# Allegro board P2597_B04_Allegro_layout.brd (continued)
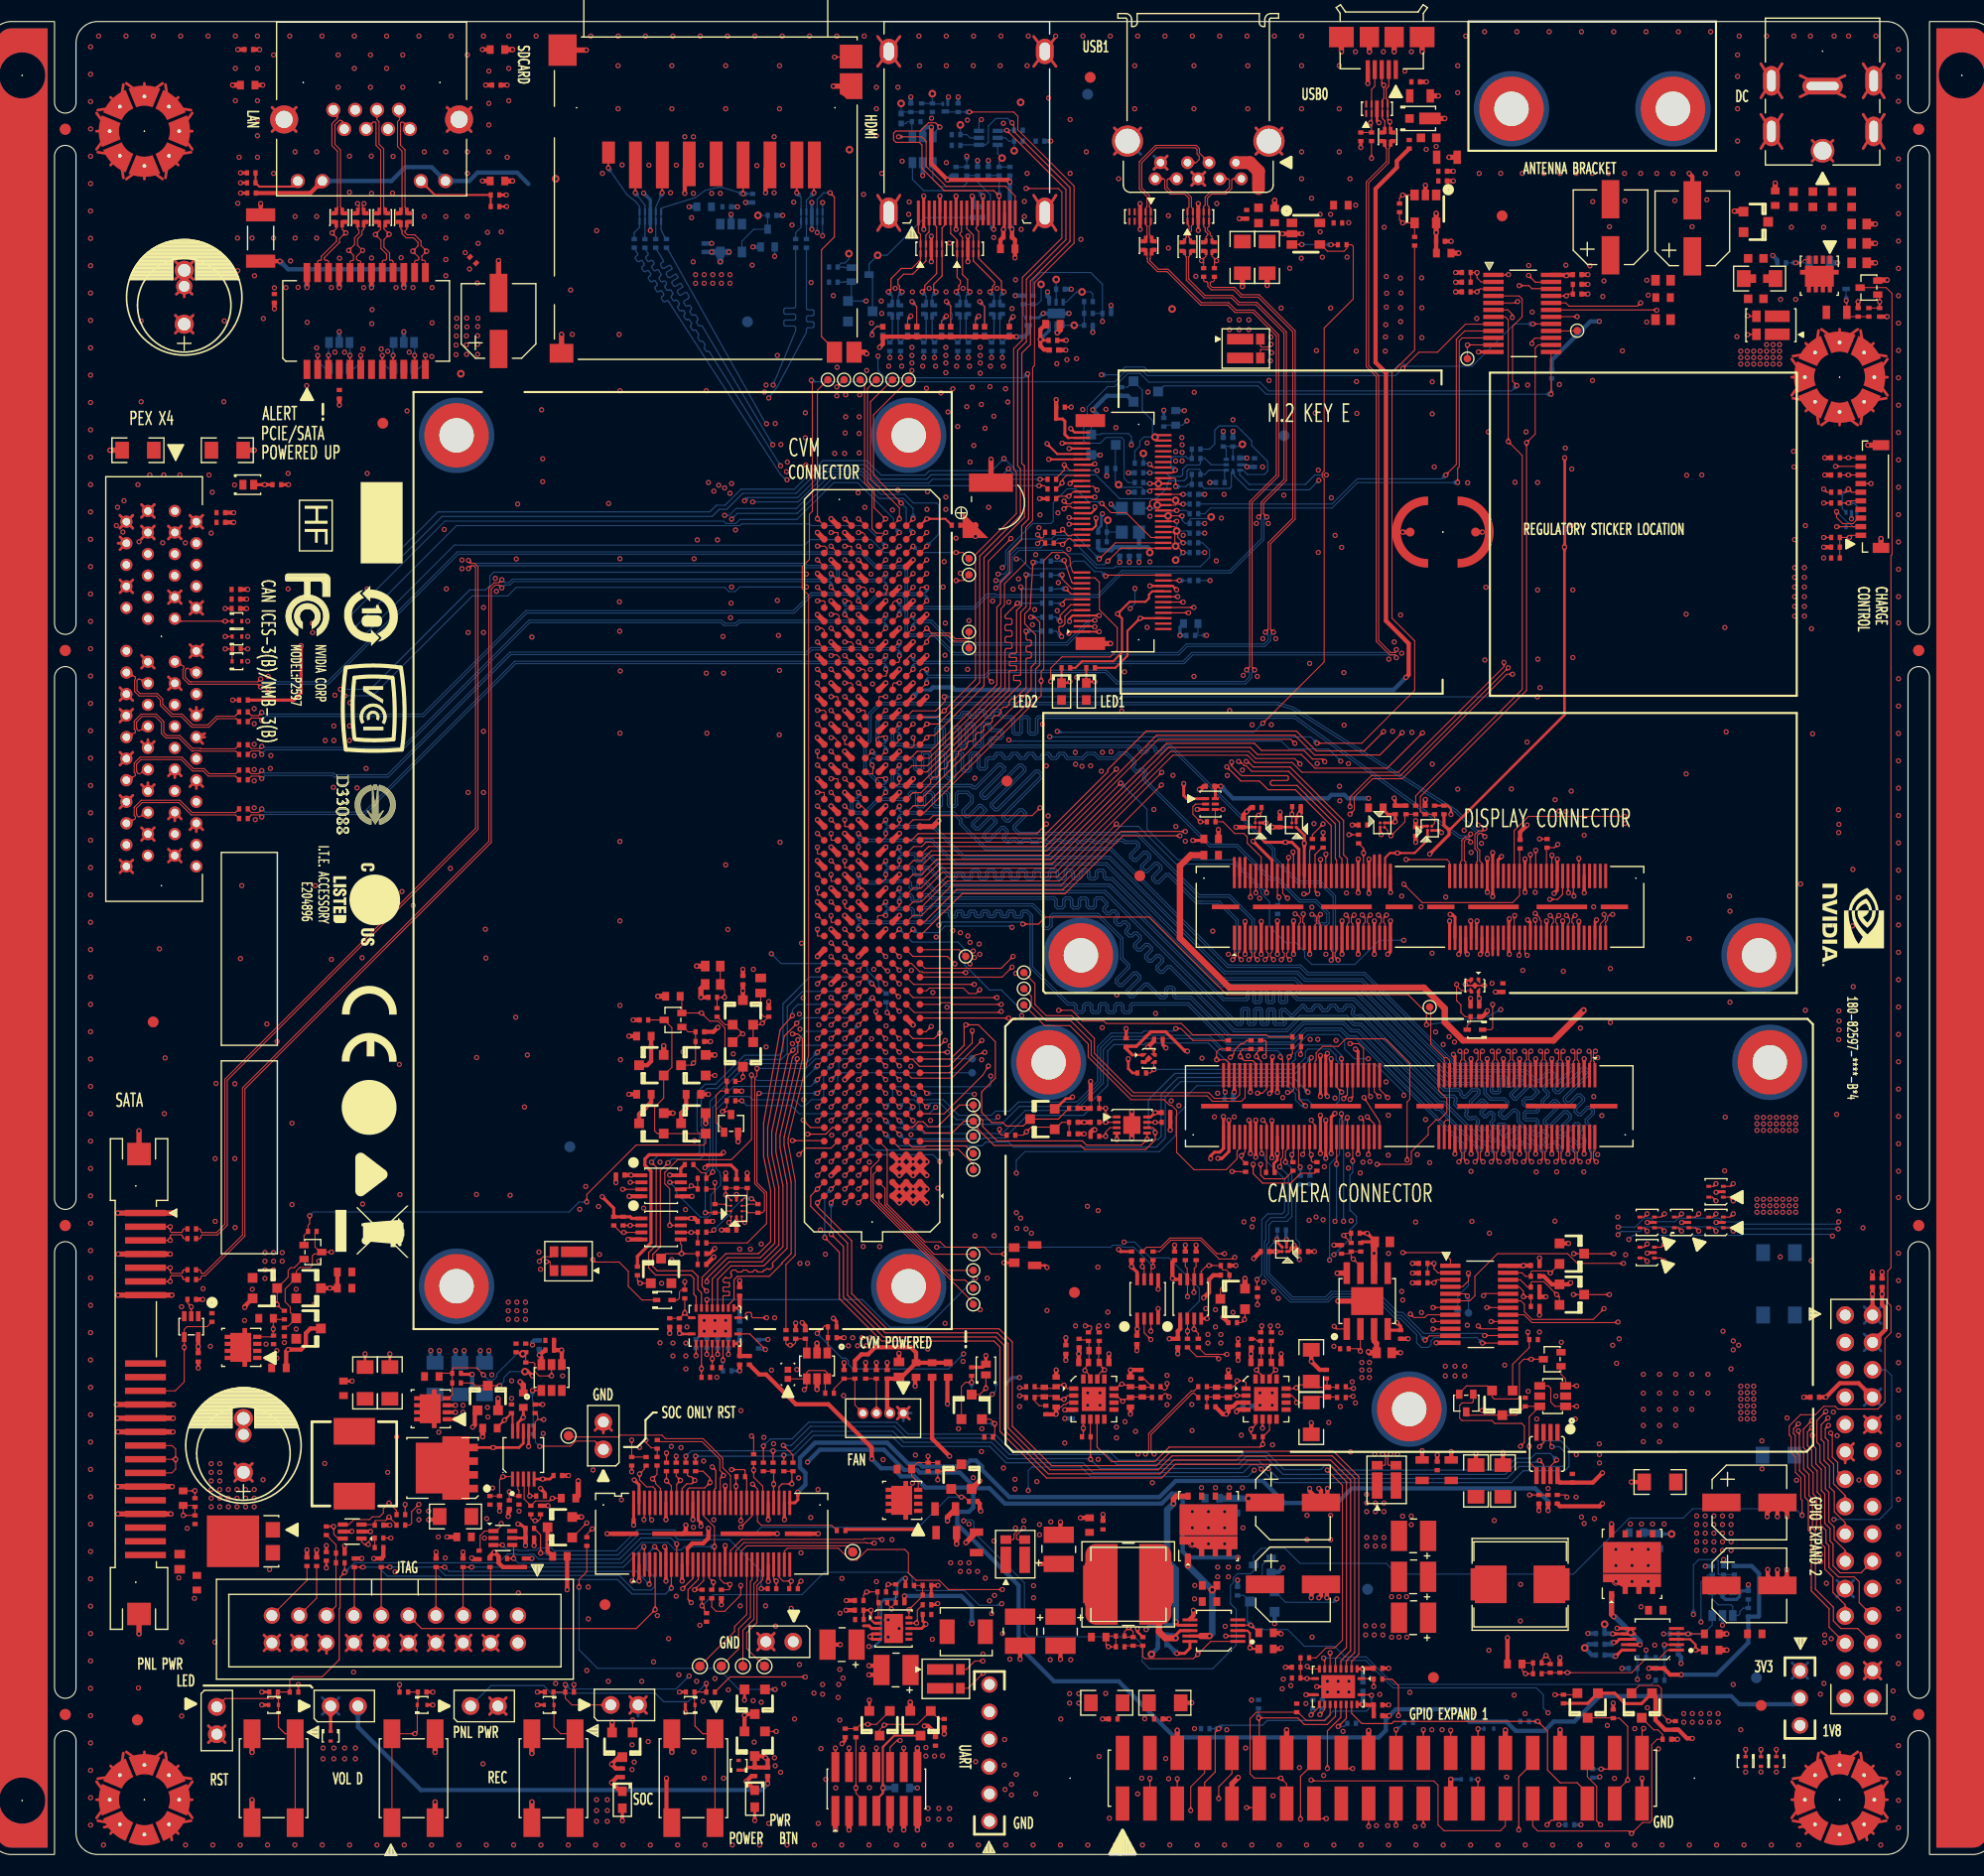
[diagram p0: board, top side]
## Nets (continued)
VDD_5V0_IO_SYS_PG: R508.1 R509.2 R510.1 U31.2(PG)
VDD_5V0_IO_SYS_R: C142.1 C143.1 C144.1 C148.1 C149.1 C154.1 C156.1 C158.1 L15.2 L16.2 R225.4 R243.1
VDD_5V_CT: C203.1 R301.2 U32.4(CT)
VDD_5V_IO_SYS_F_N: C118.2 C123.1 R201.1 U18.14(VIN2N)
VDD_5V_IO_SYS_F_P: C116.2 C118.1 R195.1 R199.1 U18.15(VIN2P)
VDD_5V_IO_SYS_N: R201.2 R225.2
VDD_5V_IO_SYS_P: R199.2 R225.3
VDD_5V_RST_L: R304.1 U32.1(RST*)
VDD_12V_SLP: C1.1 C2.1 C4.1 C9.1 C11.1 C12.1 C13.1 C24.1 D1.3(C) J1.20(12V_1) J1.21(12V_2) J1.22(12V_3) J2.A2(12V_03) J2.A3(12V_04) J2.B1(12V_01) J2.B2(12V_02) J2.B3(RSVD<0>) R2.1 R126.1 R309.1 R347.1 R349.1
VDD_12V_SLP_DISCHARGE: Q35.3(D) R309.2 R347.2
VDD_19V_CON: J25.1 LB15.1 LB16.1 LB17.1 LB18.1
VDD_19V_IN: C174.1 C177.1 C178.1 C179.1 C501.1 D13.3(C) LB15.2 LB16.2 LB17.2 LB18.2 Q30.1(S1) Q30.2(S2) Q30.3(S3)
VDD_DIS_3V3_LCD: C108.1 C135.1 J23.54 J23.56 R221.2 U15.6(VCC) U24.A1(VOUT)
VDD_FAN: C61.1 C64.1 J15.2 R117.1 R126.2 R130.2 R134.2
VDD_GPIO_TXL8: J24.2 R100.2 R223.2
VDD_GPIO_TXL81: C137.1 R223.1 R517.2 U22.19(VCCB)
VDD_GPIO_TXL82: C56.1 R100.1 R592.2 U7.19(VCCB)
VDD_LCD_1V8_DIS: J23.58 U26.A1(VOUT)
VDD_LCD_1V8_EN: R235.1 R236.1 U26.B2(ON) U29.14(P11)
VDD_LCD_1V8_VIN: C146.1 R236.2 R238.2 U26.A2(VIN)
VDD_LM3481_G: C36.1 Q3.4(G) R37.2 R38.1
VDD_LM3481_GATED: C32.1 C33.1 C34.1 C36.2 L2.1 Q3.5(D) R50.1 R51.1
VDD_LM3481_R: Q5.3(D) R38.2
VDD_M2_IN_N: R139.2 R193.3
VDD_M2_IN_P: R140.2 R193.2
VDD_M2_IO_FILT_N: C78.2 C83.1 R139.1 U10.1(VIN3N)
VDD_M2_IO_FILT_P: C78.1 C84.1 R140.1 R141.1 U10.2(VIN3P)
VDD_MOD: C75.1 C77.1 C166.1 C167.1 C168.1 C169.1 C200.1 CR5.2(A) J13.A1(VDD_IN_1) J13.A2(VDD_IN_2) J13.B1(VDD_IN_3) J13.B2(VDD_IN_4) J13.C1(VDD_IN_5) J13.C2(VDD_IN_6) LB12.2 LB13.2 LB14.2 R264.2 R306.1
VDD_MUX: C106.1 C107.1 C125.1 C126.1 C163.1 C164.1 C165.1 C172.1 C173.1 D7.3(AA) Q23.2(D1) Q29.2(D1) R77.1 R98.1 R184.1 R265.1 R506.2 R522.2 U16.5(VIN) U31.5(VIN)
VDD_MUX_CAP: D7.1(C1) Q14.2(E) R90.1
VDD_MUX_CAP_R: C52.1 C53.1 R88.1 R90.2
VDD_MUX_FILTER_M: C130.1 C132.2 R214.1 U18.11(VIN1N)
VDD_MUX_FILTER_P: C129.2 C132.1 R211.1 R213.1 U18.12(VIN1P)
VDD_MUX_N: R214.2 R265.2
VDD_MUX_P: R213.2 R265.3
VDD_OSC: C514.1 R541.1 R542.1 R545.2 Y501.4(VCC)
VDD_SYS_BL: J23.2 J23.4 J23.6 R183.2 R184.2
VDD_SYS_EN: J22.119 R523.1 U28.7(P03)
VDD_TS_1V8: J23.28 U20.A1(VOUT)
VDD_VBUS: J13.B37(USB0_VBUS_DET) R229.2
VDD_VBUS_CONN: C151.1 C153.1 LB11.1 R237.1 U25.1(OUT)
VDD_VBUS_CONN_L: C145.1 C147.1 D11.1 J20.1(VBUS) LB11.2 R229.1
VIN_PWR_BAD_C: C176.2 D31.1(C) R272.1 R273.1
VIN_PWR_BAD_CQ: Q31.1(G) R273.2 R274.1
VIN_PWR_BAD_L: J13.B8(VIN_PWR_BAD*) Q31.3(D) Q502.3(D) R95.1
VIN_PWR_BAD_R_L: Q13.3(D) R95.2
ACOK: J13.A49(CHARGER_PRSNT*) J23.86 J27.1 R270.1 R271.2 R313.1
AO_DMIC_IN_CLK: J13.E16(AO_DMIC_IN_CLK) J22.71 U7.8(A7)
AO_DMIC_IN_CLK_LVL: J21.32(2) R340.1 U7.13(B7)
AO_DMIC_IN_DAT: J13.D16(AO_DMIC_IN_DAT) J22.73 U7.9(A8)
AO_DMIC_IN_DAT_LVL: J21.16(2) R341.1 U7.12(B8)
AP2MDM_READY: D23.5(LINE4) J13.A9(GPIO15_AP2MDM_READY) J26.6
AP_WAKE_BT: J13.B19(GPIO11_AP_WAKE_BT) U7.7(A6)
AP_WAKE_BT_3V3: J21.33(1) R339.1 U7.14(B6)
AP_WAKE_MDM_1V8: J13.A8(GPIO14_AP_WAKE_MDM) R530.2
AP_WAKE_MDM_1V8_R: J18.40(VENDOR_DEFINED_2) R530.1
AUD_RST: J13.F2(GPIO19_AUD_RST) U22.9(A8)
AUD_RST_LVL: J21.29(1) R333.1 U22.12(B8)
AUDIO_CDC_IRQ: J13.H3(GPIO20_AUD_INT) U22.7(A6)
AUDIO_CDC_IRQ_LVL: J21.13(1) R331.1 U22.14(B6)
AUDIO_I2S_MCLK: R222.1 U22.1(A1)
AUDIO_I2S_MCLK_3V3: J21.7(1) R326.1 U22.20(B1)
AUDIO_I2S_MCLK_R: J13.F1(AUDIO_MCLK) R222.2
AUDIO_I2S_SFSYNC: J13.H1(I2S0_LRCLK) U22.3(A2)
AUDIO_I2S_SFSYNC_3V3: J21.35(1) R327.1 U22.18(B2)
AUDIO_I2S_SIN: J13.G1(I2S0_SDIN) U22.5(A4)
AUDIO_I2S_SIN_3V3: J21.38(2) R329.1 U22.16(B4)
AUDIO_I2S_SOUT: J13.H2(I2S0_SDOUT) U22.4(A3)
AUDIO_I2S_SOUT_3V3: J21.40(2) R328.1 U22.17(B3)
AUDIO_I2S_SRCLK: J13.G2(I2S0_CLK) U22.6(A5)
AUDIO_I2S_SRCLK_3V3: J21.12(2) R330.1 U22.15(B5)
BAT_DET_L: J27.8 R267.2
BBAT: J13.A50(VDD_RTC) R135.2
BBAT_R: C72.1 R135.1
BOARD_ID_A0: R155.1 R156.2 U11.1(A<0>)
BOARD_ID_WP: R172.1 U11.7(WP)
BRD_ID_A1: R157.2 U11.2(A<1>)
BRD_ID_A2: R158.2 U11.3(A<2>)
BRIDGE_EN: J23.18 R521.1 U28.18(P15)
BRIDGE_IRQ: J23.20 U28.20(P17)
BT2_EN: J13.B21(GPIO12_BT_EN) Q504.2(S) R546.2
BT2_WAKE_AP_L: J13.B22(GPIO13_BT_WAKE_AP) R532.2
BUCK_BST: C513.1 R536.2
BUCK_BST_IO: C504.1 R515.2
BUCK_FB: C97.2 R162.2 R166.1 U16.1(VFB)
BUCK_FB_IO_MID: R243.2 R250.1 R251.1
BUCK_FB_IO_MID_R: C161.1 R250.2
BUCK_FB_MID: R159.2 R161.1 R162.1
BUCK_FB_MID_R: C97.1 R161.2
BUCK_HSDR: Q23.1(G1) U16.9(DRVH)
BUCK_IO_EN: C170.1 Q501.6(D) R506.1 R507.2 U31.4(EN)
BUCK_IO_FB: C161.2 R251.2 R256.1 U31.1(VFB)
BUCK_IO_HSDR: Q29.1(G1) U31.9(DRVH)
BUCK_IO_LSDR: Q29.6(G2) R514.1 U31.7(DRVL)
BUCK_IO_SNUB: C503.1 R512.2
BUCK_IO_VREG: C171.1 U31.3(VREG5)
BUCK_IO_VSW: C504.2 L15.1 L16.1 Q29.7(S1_D2_1) R512.1 U31.8(SW)
BUCK_LSDR: Q23.6(G2) R535.1 U16.7(DRVL)
BUCK_SNUB: C508.1 R533.2
BUCK_VREG: C120.1 U16.3(VREG5)
BUCK_VSW: C513.2 L7.1 L8.1 L9.1 Q23.7(S1_D2_1) R533.1 U16.8(SW)
CAM0_MCLK: J13.F9(CAM0_MCLK) J22.91
CAM0_PWDN: J13.G8(GPIO0_CAM0_PWR*) J22.93
CAM0_RST_L: J13.H8(GPIO2_CAM0_RST*) R206.1 R207.1
CAM1_MCLK: J13.F8(CAM1_MCLK) R209.2
CAM1_MCLK_R: J22.88 R209.1
CAM1_PWDN: J13.F7(GPIO1_CAM1_PWR*) J22.90
CAM1_RST_L: J13.H7(GPIO3_CAM1_RST*) R518.1 R519.1
CAM2_MCLK: J13.E7(CAM2_MCLK) R202.1
CAM2_MCLK_R: J22.94 R202.2
CAM2_PWDN: J22.96 U28.11(P07)
CAM2_RST: J22.98 U28.13(P10)
CAM_AF_PWDN: J22.85 U28.16(P13)
CAM_AVDD_CAM_EN: R215.1 U23.2(EN) U29.18(P15)
CAM_DVDD_CAM_LV_1V5_EN: TP33.1 U29.16(P13)
CAM_FSIN_INT: J22.117 R189.1
CAM_GYRO_INT: J22.112 R192.2
CAM_I2C_SCL: J13.C6(I2C_CAM_CLK) J22.75
CAM_I2C_SDA: J13.D6(I2C_CAM_DAT) J22.77
CAM_IR_EN: J22.114 TP30.1
CAM_UART1_CTS: J22.65 R175.1
CAM_UART1_PSNT_L: J22.59 Q24.1(G) R190.2
CAM_UART1_RTS: J22.67 R165.1
CAM_UART1_RXD: J22.63 R178.1
CAM_UART1_TXD: J22.61 R168.1
CAM_UART_DIR: Q24.3(D) R187.1 R188.1 U14.5(DIR)
CAM_VDD_1V2_EN: R164.1 U13.3(CE) U28.15(P12)
CAM_VDD_1V8_EN: R520.1 U19.B2(ON) U28.14(P11)
CAM_VSYNC: J13.E8(CAM_VSYNC) J22.86
CAN0_ERR: D26.4(LINE3) J13.E18(CAN0_ERR) J26.9
CAN0_RX: D26.5(LINE4) J13.D18(CAN0_RX) J26.5
CAN0_STBY: D26.1(LINE1) J13.E17(CAN0_STBY) J26.3
CAN0_TX: D25.3(LINE2) J13.D19(CAN0_TX) J26.7
CAN1_ERR: D25.1(LINE1) J13.C19(CAN1_ERR) J26.19
CAN1_RX: D25.5(LINE4) J13.D17(CAN1_RX) J26.15
CAN1_STBY: D22.3(LINE2) J13.C17(CAN1_STBY) J26.13
CAN1_TX: D25.4(LINE3) J13.C18(CAN1_TX) J26.17
CAN_WAKE: D26.3(LINE2) J13.C20(CAN_WAKE) J26.1
CARRIER_PWR_ON: J13.A48(CARRIER_PWR_ON) Q11.1(G) R507.1
CGND: C27.2 C205.2 J5.13 J5.14 R8.2 R12.2 R40.2 R45.2 R46.2 R47.2
CHARGING: D34.5(LINE4) J13.A7(CHARGING*) J27.2
CHG_BD_PRSNT_L: J27.10 R266.2 U28.17(P14)
CHG_OC_L: J13.C8(RSVD_6) J27.7 R145.2
CON_CSI_A_CLK_N: J13.G27(CSI0_CLK*) J22.9
CON_CSI_A_CLK_P: J13.G28(CSI0_CLK) J22.7
CON_CSI_A_D0_N: J13.F28(CSI0_D0*) J22.3
CON_CSI_A_D0_P: J13.F29(CSI0_D0) J22.1
CON_CSI_A_D1_N: J13.H26(CSI0_D1*) J22.15
CON_CSI_A_D1_P: J13.H27(CSI0_D1) J22.13
CON_CSI_B_CLK_N: J13.D27(CSI1_CLK*) J22.10
CON_CSI_B_CLK_P: J13.D28(CSI1_CLK) J22.8
CON_CSI_B_D0_N: J13.C28(CSI1_D0*) J22.4
CON_CSI_B_D0_P: J13.C29(CSI1_D0) J22.2
CON_CSI_B_D1_N: J13.E26(CSI1_D1*) J22.16
CON_CSI_B_D1_P: J13.E27(CSI1_D1) J22.14
CON_CSI_C_CLK_N: J13.G24(CSI2_CLK*) J22.27
CON_CSI_C_CLK_P: J13.G25(CSI2_CLK) J22.25
CON_CSI_C_D0_N: J13.F25(CSI2_D0*) J22.21
CON_CSI_C_D0_P: J13.F26(CSI2_D0) J22.19
CON_CSI_C_D1_N: J13.H23(CSI2_D1*) J22.33
CON_CSI_C_D1_P: J13.H24(CSI2_D1) J22.31
CON_CSI_D_CLK_N: J13.D24(CSI3_CLK*) J22.28
CON_CSI_D_CLK_P: J13.D25(CSI3_CLK) J22.26
CON_CSI_D_D0_N: J13.C25(CSI3_D0*) J22.22
CON_CSI_D_D0_P: J13.C26(CSI3_D0) J22.20
CON_CSI_D_D1_N: J13.E23(CSI3_D1*) J22.34
CON_CSI_D_D1_P: J13.E24(CSI3_D1) J22.32
CON_CSI_E_CLK_N: J13.G21(CSI4_CLK*) J22.45
CON_CSI_E_CLK_P: J13.G22(CSI4_CLK) J22.43
CON_CSI_E_D0_N: J13.F22(CSI4_D0*) J22.39
CON_CSI_E_D0_P: J13.F23(CSI4_D0) J22.37
CON_CSI_E_D1_N: J13.H20(CSI4_D1*) J22.51
CON_CSI_E_D1_P: J13.H21(CSI4_D1) J22.49
CON_CSI_F_CLK_N: J13.D21(CSI5_CLK*) J22.46
CON_CSI_F_CLK_P: J13.D22(CSI5_CLK) J22.44
CON_CSI_F_D0_N: J13.C22(CSI5_D0*) J22.40
CON_CSI_F_D0_P: J13.C23(CSI5_D0) J22.38
CON_CSI_F_D1_N: J13.E20(CSI5_D1*) J22.52
CON_CSI_F_D1_P: J13.E21(CSI5_D1) J22.50
CON_DSI3_CLK_N: J13.D34(DSI1_CLK*) J23.68
CON_DSI3_CLK_P: J13.D33(DSI1_CLK) J23.66
CON_DSI4_CLK_N: J13.D31(DSI3_CLK*) J23.74
CON_DSI4_CLK_P: J13.D30(DSI3_CLK) J23.72
CON_DSI_A_CLK_N: J13.G34(DSI0_CLK*) J23.43
CON_DSI_A_CLK_P: J13.G33(DSI0_CLK) J23.45
CON_DSI_A_D0_N: J13.F35(DSI0_D0*) J23.55
CON_DSI_A_D0_P: J13.F34(DSI0_D0) J23.57
CON_DSI_A_D1_N: J13.H33(DSI0_D1*) J23.49
CON_DSI_A_D1_P: J13.H32(DSI0_D1) J23.51
CON_DSI_A_D2_N: J13.C35(DSI1_D0*) J23.37
CON_DSI_A_D2_P: J13.C34(DSI1_D0) J23.39
CON_DSI_A_D3_N: J13.E33(DSI1_D1*) J23.31
CON_DSI_A_D3_P: J13.E32(DSI1_D1) J23.33
CON_DSI_B_CLK_N: J13.G31(DSI2_CLK*) J23.13
CON_DSI_B_CLK_P: J13.G30(DSI2_CLK) J23.15
CON_DSI_B_D0_N: J13.F32(DSI2_D0*) J23.25
CON_DSI_B_D0_P: J13.F31(DSI2_D0) J23.27
CON_DSI_B_D1_N: J13.H30(DSI2_D1*) J23.19
CON_DSI_B_D1_P: J13.H29(DSI2_D1) J23.21
CON_DSI_B_D2_N: J13.C32(DSI3_D0*) J23.7
CON_DSI_B_D2_P: J13.C31(DSI3_D0) J23.9
CON_DSI_B_D3_N: J13.E30(DSI3_D1*) J23.1
CON_DSI_B_D3_P: J13.E29(DSI3_D1) J23.3
CON_I2C_GP1_SCL_LT: J23.30 R208.2
CON_I2C_GP1_SDA_LT: J23.32 R210.2
CONN_CAM0_RST_L: J22.95 R207.2
CONN_CAM1_RST_L: J22.92 R519.2
CPU_PWR_REQ: J10.33 R91.2
D_FORCE_AC_NOT_OK_N: J10.1 R270.2
D_FORCE_OFF_G: C502.1 Q501.1(G) Q501.4(D) Q502.1(G) Q503.1(G) R502.1 R503.2
D_FORCE_OFF_L: J11.1 Q501.3(G) R111.1 R504.2 R505.1
D_FORCE_OFF_R_L: J10.55 R111.2
DBG_GEN1_I2C_SCL: J10.16 R69.1
DBG_GEN1_I2C_SDA: J10.18 R71.1
DBG_GPIO: Q22.1(G) R137.2 R149.2 R150.2
DBG_GPIO1: J10.32 R61.1
DBG_GPIO2: J10.34 R68.1
DBG_GPIO3: J10.57 R137.1
DBG_I2C_EN: Q36.3(D) Q37.3(D) Q38.6(D) R312.1 U30.5(EN)
DBG_I2C_EN_L: Q38.1(G) Q38.4(D) R255.2
DBG_IRQ_N: J10.38 TP2.1
DBG_JTAG_TRST: J10.53 R106.2
DBG_KB_COL0: J10.43 TP3.1
DBG_KB_COL1: J10.45 TP4.1
DBG_KB_COL2: J10.47 TP5.1
DBG_KB_COL3: J10.49 TP6.1
DBG_KB_ROW0: J10.37 R206.2
DBG_KB_ROW1: J10.39 R518.2
DBG_KB_ROW2: J10.41 TP9.1
DBG_PM342_I2C_SCL_3V3: R103.2 U30.7(SCL1)
DBG_PM342_I2C_SDA_3V3: R110.2 U30.6(SDA1)
DBG_PM_I2C_SCL_3V3: J10.54 R103.1 R107.1
DBG_PM_I2C_SDA_3V3: J10.56 R108.1 R110.1
DBG_UART0_CTS: J10.10 R66.1
DBG_UART0_RTS: J10.12 R67.1
DBG_UART_SEL: R92.2 R96.2 R99.1 U8.D1(IN2) U8.D3(IN1)
DDC_SCL_Q: Q506.5(G) R560.2
DDC_SDA_Q: Q506.2(G) R572.2
DIRECTDC_CLK: J13.F12(DIRECTDC_CLK) J14.2
DIRECTDC_IN: J13.F11(DIRECTDC_IN) J14.4
DIRECTDC_OUT0: J13.E11(DIRECTDC_OUT0) J14.6
DIRECTDC_OUT1: J13.E12(DIRECTDC_OUT1) J14.8
DIRECTDC_OUT2: J13.D11(DIRECTDC_OUT2) J14.10
DIRECTDC_OUT3: J13.D12(DIRECTDC_OUT3) J14.12
DIRECTDC_PIN5: Q18.1(B) R116.1 R118.1
DIRECTDC_PIN5_R: J14.5 R118.2
DIRECTDC_PIN7: C529.1 J14.7 Q20.3(D)
DIRECTDC_PU: Q18.3(C) Q20.1(G) R132.2
DIS_PNP_B: C201.1 D7.2(C2) Q14.1(B) R105.1
DIS_PNP_C: Q14.3(C) R93.1
DIS_VDD_1V2_EN: D12.1(C) R33.1 U29.15(P12)
DIS_VDD_1V2_EN_PU: D12.2(A) R32.2 R242.2 U27.3(CE)
DIS_VDD_1V2_EN_PU_R: R32.1 U2.4(Y)
DIS_VDD_1V2_EN_PU_R_IN: R27.1 R33.2 U2.3(A)
DISCHARGE: D5.3(CC) D18.1(A1) Q6.1(G) Q8.1(G) Q9.1(G) Q12.1(G) R63.1 R348.2
DISCHARGE_CAR: D5.1(A1) Q11.3(D) R77.2 R78.1
DISCHARGE_CAT: C49.1 D5.2(A2) Q13.1(G) R93.2 R94.1
DP1_TXD0_N: C530.1 J13.E38(DP1_TX0*)
DP1_TXD0_P: C531.1 J13.E39(DP1_TX0)
DP1_TXD1_N: C525.1 J13.C37(DP1_TX1*)
DP1_TXD1_P: C526.1 J13.C38(DP1_TX1)
DP1_TXD2_N: C523.1 J13.D36(DP1_TX2*)
DP1_TXD2_P: C524.1 J13.D37(DP1_TX2)
DP1_TXD3_N: C518.1 J13.E35(DP1_TX3*)
DP1_TXD3_P: C519.1 J13.E36(DP1_TX3)
DP_HPD0_AP: J13.B36(DP0_HPD) J23.85
DSPK_OUT_CLK: D29.1(1C) J13.G4(DSPK_OUT_CLK) J26.27
DSPK_OUT_DAT: D28.1(1C) J13.H4(DSPK_OUT_DAT) J26.29
EDP_AUX_CH0_N: J13.B34(DP0_AUX_CH*) J23.87
EDP_AUX_CH0_P: J13.B35(DP0_AUX_CH) J23.89
EDP_TXD0_N: J13.H38(DP0_TX0*) J23.95
EDP_TXD0_P: J13.H39(DP0_TX0) J23.93
EDP_TXD1_N: J13.F37(DP0_TX1*) J23.101
EDP_TXD1_P: J13.F38(DP0_TX1) J23.99
EDP_TXD2_N: J13.G36(DP0_TX2*) J23.107
EDP_TXD2_P: J13.G37(DP0_TX2) J23.105
EDP_TXD3_N: J13.H35(DP0_TX3*) J23.119
EDP_TXD3_P: J13.H36(DP0_TX3) J23.117
EN_GP0_LVL: C507.1 R534.2 U501.7(VREF2) U501.8(EN)
EN_HDMI: R547.1 R548.2 R549.2 U502.4(EN)
EN_HDMI_TERM: Q505.1(G) R557.2 R558.2
EN_VDD_DISP: R231.1 U29.7(P03)
EN_VDD_DISP_R: R228.1 R231.2 U24.B2(ON)
EN_VDD_SATA_G: C28.1 Q1.4(G) R11.2 R13.1
EN_VDD_SATA_R_D_L: D18.3(CC) Q34.1(G) Q35.1(G) R346.1 R348.1
EN_VDD_SATA_R_L: D18.2(A2) Q2.3(D) R13.2
EN_VDD_TS_1V8_PMIC: R205.1 U20.B2(ON) U29.5(P01)
EN_VDD_TS_HV_PMIC: R196.1 U17.B2(ON) U29.6(P02)
FAN_PWM: J13.C16(FAN_PWM) Q17.1(G) R114.1 R115.2
FAN_PWM_Q*: C58.1 J15.4 R117.2 R300.2
FAN_PWM_Q_R: D17.1 Q17.4(D) Q17.6(D) R300.1
FAN_TACH: C60.1 D30.1(1C) J13.B17(FAN_TACH) J15.3 R121.2
FLASH_EN: J13.D7(GPIO5_CAM_FLASH_EN) J22.97
FLASH_INHIBIT: J22.103 U28.10(P06)
FLASH_STROBE: J13.G7(GPIO4_CAM_STROBE) J22.106 R311.1
FLASH_STROBE_G: Q37.1(G) R311.2 R321.1
FORCE_RECOVERY_L: J13.E1(FORCE_RECOV*) R59.2
FORCE_RECOVERY_R_L: C46.1 D4.1(1C) J9.1 J10.42 R59.1 S3.1 S3.4
GBE_CTREF: J13.H50(GBE_CTREF) TP7.1
GBE_LED0_SPICSB: J13.E47(GBE_LINK_ACT*) R10.1
GBE_LED1_SPISCK: J13.F50(GBE_LINK100*) R44.1
GBE_LED2: J13.F46(GBE_LINK1000*) TP8.1
GBE_MDI0_N: D507.1 J13.E49(GBE_MDI0*) T1.3(TD1N)
GBE_MDI0_P: D507.6 J13.E48(GBE_MDI0) T1.2(TD1P)
GBE_MDI1_N: D507.4 J13.F48(GBE_MDI1*) T1.6(TD2N)
GBE_MDI1_P: D507.3 J13.F47(GBE_MDI1) T1.5(TD2P)
GBE_MDI2_N: D506.1 J13.G49(GBE_MDI2*) T1.9(TD3N)
GBE_MDI2_P: D506.6 J13.G48(GBE_MDI2) T1.8(TD3P)
GBE_MDI3_N: D506.4 J13.H48(GBE_MDI3*) T1.12(TD4N)
GBE_MDI3_P: D506.3 J13.H47(GBE_MDI3) T1.11(TD4P)
GEN1_I2C_SCL_CAM_R: J22.105 R198.1
GEN1_I2C_SDA_CAM_R: J22.107 R194.1
GNSS_PPS: D27.1(1C) J13.B18(GNSS_PPS) J26.30
GPIO_EXP0_INT: J13.A23(GPIO_EXP0_INT) U29.1(INT*)
GPIO_EXP1_INT: J13.A22(GPIO_EXP1_INT) U28.1(INT*)
GPIO_EXP2_A0: R248.2 R249.1 U28.21(A0)
GPIO_EXP2_A1: R232.1 R233.2 U28.2(A1)
GPIO_EXP_A0: R259.2 R260.1 U29.21(A0)
GPIO_EXP_A1: R239.1 R240.2 U29.2(A1)
GPIO_EXP_P07_3V3: TP32.1 U29.11(P07)
GPIO_EXP_P16_3V3: J21.22(2) R345.1 U29.19(P16)
GPIO_EXP_P17_3V3: J21.15(1) R344.1 U29.20(P17)
GS_H: J13.A26(GSYNC_HSYNC) J23.94
GS_V: J13.A27(GSYNC_VSYNC) J23.92
HDMI_CEC: CR501.1(A1) J13.B33(HDMI_CEC) Q508.2(S) R588.2
HDMI_CEC_CON: C522.1 D503.3 J16.13(CEC) L502.2
HDMI_CEC_PU: CR501.2(A2) R587.1
HDMI_CEC_Q: CR501.3(CC) L502.1 Q508.3(D)
HDMI_DDC_SCL_5V: Q506.3(D) R569.1 R574.2
HDMI_DDC_SCL_5V0: C521.1 D503.1 J16.15(SCL) R569.2
HDMI_DDC_SCL_POL: J13.A35(DP1_AUX_CH) Q506.4(S) R559.2
HDMI_DDC_SDA_5V: Q506.6(D) R561.2 R564.1
HDMI_DDC_SDA_5V0: C520.1 D503.6 J16.16(SDA) R564.2
HDMI_DDC_SDA_POL: J13.A34(DP1_AUX_CH*) Q506.1(S) R573.2
HDMI_HPD: J13.A33(DP1_HPD) Q507.3(C) R570.2
HDMI_HPD_CON: C527.1 D503.4 J16.19(HP_DET) L505.2
HDMI_HPD_L: C528.1 L505.1 R580.1
HDMI_HPD_R_L: Q507.1(B) R578.1 R580.2
HDMI_ILIM: R550.1 U502.2(ILIM)
HDMI_SW_OC*: R547.2 U502.3(FAULT*)
HDMI_TXC_C_N: C518.2 L501.1 R562.2 R563.1
HDMI_TXC_C_P: C519.2 L501.2 R565.1 R566.2
HDMI_TXC_CON_N: D501.5(4A) D501.6(4B) J16.12(CK*) L501.4 R563.2
HDMI_TXC_CON_P: D501.4(3A) D501.7(3B) J16.10(CK) L501.3 R565.2
HDMI_TXD0_C_N: C523.2 L503.1 R567.2 R568.1
HDMI_TXD0_C_P: C524.2 L503.2 R571.1 R575.2
HDMI_TXD0_CON_N: D501.2(2A) D501.9(2B) J16.9(D0*) L503.4 R568.2
HDMI_TXD0_CON_P: D501.1(1A) D501.10(1B) J16.7(D0) L503.3 R571.2
HDMI_TXD1_C_N: C525.2 L504.1 R576.2 R577.1
HDMI_TXD1_C_P: C526.2 L504.2 R579.1 R581.2
HDMI_TXD1_CON_N: D502.5(4A) D502.6(4B) J16.6(D1*) L504.4 R577.2
HDMI_TXD1_CON_P: D502.4(3A) D502.7(3B) J16.4(D1) L504.3 R579.2
HDMI_TXD2_C_N: C530.2 L506.1 R582.2 R583.1
HDMI_TXD2_C_P: C531.2 L506.2 R584.1 R586.2
HDMI_TXD2_CON_N: D502.2(2A) D502.9(2B) J16.3(D2*) L506.4 R583.2
HDMI_TXD2_CON_P: D502.1(1A) D502.10(1B) J16.1(D2) L506.3 R584.2
I2C_GP0_CLK_1V8: J13.E15(I2C_GP0_CLK) J23.22 R69.2 R198.2 R318.2 U501.3(SCL1)
I2C_GP0_DAT_1V8: J13.D15(I2C_GP0_DAT) J23.24 R71.2 R194.2 R319.2 U501.4(SDA1)
I2C_GP0_SCL_3V3_LVL: J2.B5(SMCLK) J21.5(1) R316.2 R538.2 U501.6(SCL2)
I2C_GP0_SCL_M2: J18.60(I2C_CLK) R316.1 R318.1
I2C_GP0_SDA_3V3_LVL: J2.B6(SMDAT) J21.3(1) R317.2 R524.2 U501.5(SDA2)
I2C_GP0_SDA_M2: J18.58(I2C_DATA) R317.1 R319.1
I2C_GP1_CLK_3V3: D33.1(1C) J13.A21(I2C_GP1_CLK) J21.28(2) Q26.3(D) R73.2 R107.2 R152.1 R208.1 U10.6(SCL) U18.6(SCL) U29.22(SCL) U30.2(SCL0)
I2C_GP1_DAT_3V3: D32.1(1C) J13.A20(I2C_GP1_DAT) J21.27(1) Q25.3(D) R76.2 R108.2 R197.1 R210.1 U10.7(SDA) U18.7(SDA) U29.23(SDA) U30.3(SDA0)
I2C_GP1_SCL: J10.20 R73.1
I2C_GP1_SCL_1V8_LVL: Q26.2(S) R247.2 U28.22(SCL)
I2C_GP1_SDA: J10.22 R76.1
I2C_GP1_SDA_1V8_LVL: Q25.2(S) R246.2 U28.23(SDA)
I2C_GP2_CLK: D23.3(LINE2) J13.C11(I2C_GP2_CLK) J26.12
I2C_GP2_DAT: D24.5(LINE4) J13.C10(I2C_GP2_DAT) J26.14
I2C_GP3_CLK: D24.4(LINE3) J13.C12(I2C_GP3_CLK) J26.18
I2C_GP3_DAT: D24.1(LINE1) J13.C13(I2C_GP3_DAT) J26.20
I2C_PM_CLK: D34.3(LINE2) J13.A6(I2C_PM_CLK) J22.87 J27.5 R269.1 TP20.1 U11.6(SCL)
I2C_PM_DAT: D34.1(LINE1) J13.B6(I2C_PM_DAT) J22.89 J27.6 R268.1 TP19.1 U11.5(SDA)
I2S1_CLK: D22.1(LINE1) J13.C15(I2S1_CLK) J26.23
I2S1_LRCLK: D24.3(LINE2) J13.D13(I2S1_LRCLK) J26.26
I2S1_SDIN: D22.5(LINE4) J13.C14(I2S1_SDIN) J26.25 R585.2
I2S1_SDOUT: D22.4(LINE3) J13.D14(I2S1_SDOUT) J26.24
I2S2_CLK: J13.G5(I2S2_CLK) J18.8(PCM_CLK_12S_SCK)
I2S2_LRCLK: J13.H5(I2S2_LRCLK) J18.10(PCM_SYNC_125_WS)
I2S2_SDIN: J13.G6(I2S2_SDIN) J18.12(PCM_IN_12S_SD_IN)
I2S2_SDOUT: J13.H6(I2S2_SDOUT) J18.14(PCM_OUT_12S_SD_OUT)
I2S3_CLK: J13.E6(I2S3_CLK) J22.72
I2S3_LRCLK: J13.F5(I2S3_LRCLK) J22.74
I2S3_SDIN: J13.E5(I2S3_SDIN) J22.76
I2S3_SDOUT: J13.F6(I2S3_SDOUT) J22.78
IFP_TERM_EN: LB1.1 LB2.1 LB3.1 LB4.1 LB5.1 LB6.1 LB7.1 LB8.1 Q505.3(D)
IFP_TERM_EN_TXCN: LB8.2 R562.1
IFP_TERM_EN_TXCP: LB7.2 R566.1
IFP_TERM_EN_TXD0N: LB6.2 R567.1
IFP_TERM_EN_TXD0P: LB5.2 R575.1
IFP_TERM_EN_TXD1N: LB4.2 R576.1
IFP_TERM_EN_TXD1P: LB3.2 R581.1
IFP_TERM_EN_TXD2N: LB2.2 R582.1
IFP_TERM_EN_TXD2P: LB1.2 R586.1
INA_1_A0: R197.2 U18.5(A0)
INA_3_A0: R152.2 U10.5(A0)
IR_READY: J22.111 TP29.1
IR_TRIGGER: J22.113 TP28.1
JTAG_17: J7.17(PD1) R16.1
JTAG_19: J7.19(PD2) R15.1
JTAG_AP_RTCK: J7.11(RTCK) J10.11 J13.A14(JTAG_RTCK) R29.1
JTAG_AP_TCK: J7.9(TCK) J10.9 J13.B11(JTAG_TCK)
JTAG_AP_TDI: J7.5(TDI) J10.5 J13.B12(JTAG_TDI) R39.2
JTAG_AP_TDO: J7.13(TDO) J10.15 J13.A13(JTAG_TDO) R22.1
JTAG_AP_TMS: J7.7(TMS) J10.7 J13.A12(JTAG_TMS) R36.2
JTAG_AP_TRST_L: J13.B13(JTAG_GP0) R52.1 R106.1
JTAG_CN_TRST_R_L: J7.3(TRST*) R43.2
JTAG_SRST_OD_L: J7.15(RST) R17.1 R19.2 R20.2
LCD1_BKLT_PWM: J13.A24(LCD1_BKLT_PWM) J23.100
LCD_BIAS_EN: J23.88 R244.1 U28.8(P04)
LCD_BL_EN: J13.B28(LCD_BKLT_EN) J23.8
LCD_BL_PWM: J13.B27(LCD0_BKLT_PWM) J23.10
LCD_EN: J13.B26(LCD_VDD_EN) J23.62 R182.1 U15.2(A)
LCD_RST_L: J23.12 R182.2 U15.4(Y)
LCD_TE: J13.A25(LCD_TE) J23.14
LED1_L: J18.6(LED1*) R154.1
LED1_R_L: CR4.1(C) R154.2
LED2_L: J18.16(LED2*) R146.1
LED2_R_L: CR3.1(C) R146.2
LED_D_D: CR5.1(C) Q33.3(D)
LED_G_PU: Q32.3(C) Q33.1(G) R306.2
LED_S_I: Q32.1(B) Q33.2(S) R307.1
LED_VDD_CORE: J10.28 J10.31 Q7.1(G) R48.2 U3.4(Y)
LM3481_AGND: R56.1 U4.5(AGND)
LM3481_COMP: C47.1 R53.1 U4.3(COMP)
LM3481_COMP_R: C45.1 R53.2
LM3481_FB: C3.2 R1.2 R55.1 U4.4(FB)
LM3481_FB_R: C3.1 R1.1 R2.2
LM3481_ISEN: C41.1 R42.2 U4.1(ISEN)
LM3481_LG: Q4.4(G) U4.8(LG)
LM3481_S: C37.1 Q4.1(S1) Q4.2(S2) Q4.3(S3) R42.1 RS1.1
LM3481_SD: R54.1 U4.6(SD*)
LM3481_SW: D1.1(A1) D1.2(A2) L2.2 Q4.5(D)
LM3481_UVLO: R49.1 R51.2 U4.2(UVLO)
LM3481_VCC: C42.1 U4.9(VCC)
LM3481_VIN: C38.1 R50.2 U4.10(VIN)
LOW_BAT: D34.4(LINE3) J13.C7(BATLOW*) J27.3
M2_B_73: J18.73(RESERVED_REFCLKN1) R145.1
M2_E_20: J18.20(UART_WAKE*) R532.1
M2_E_59: J18.59(RESERVED_PETP1) R143.1
M2_E_61: J18.61(RESERVED_PETN1) R142.1
M2_E_ALERT_L: J18.62(ALERT*) R537.2
M2_E_ALERT_R_L: Q39.3(D) R516.2 U29.13(P10)
M2_E_ALERT_RS_L: Q39.2(S) R320.2 R537.1
MCT0: R600.1 T1.24(MCT1)
MCT1: R599.1 T1.21(MCT2)
MCT2: R598.1 T1.18(MCT3)
MCT3: R597.1 T1.15(MCT4)
MDI_CT: C31.1 T1.1(TCT1) T1.4(TCT2) T1.7(TCT3) T1.10(TCT4)
MDM2AP_READY_1V8: J13.B9(GPIO17_MDM2AP_READY) R189.2 R531.2
MDM2AP_READY_1V8_R: J18.38(VENDOR_DEFINED_3) R531.1
MDM_COLDBOOT_1V8: J13.B10(GPIO18_MDM_COLDBOOT) R528.2
MDM_COLDBOOT_1V8_R: J18.44(COEX3) R528.1
MDM_EN: R526.2 U29.9(P05)
MDM_EN_R: J18.48(COEX1) R526.1
MDM_RST_L: R527.2 U29.10(P06)
MDM_RST_R_L: J18.46(COEX2) R527.1
MDM_WAKE_AP_1V8: J13.A10(GPIO16_MDM_WAKE_AP) R529.2 U22.8(A7)
MDM_WAKE_AP_1V8_R: J18.42(VENDOR_DEFINED_1) R529.1
MDM_WAKE_AP_LVL: J21.18(2) R332.1 U22.13(B7)
MOTION_INT_AP_L: J13.G14(GPIO9_MOTION_INT) Q28.2(S) R192.1 R263.2
MOTION_INT_AP_L_LVL: J21.31(1) Q28.3(D) R262.2
NVJTAG_SEL: J13.A11(JTAG_GP1) Q22.3(D) R148.2
NVSR_INT: R253.2 U28.19(P16)
NVSR_INT_R: J23.98 R253.1
OSC_EN: C515.1 R545.1 Y501.1(EN)
P_P2_3V3: C181.1 F3.2 J26.2
P_P6_1V8: C180.1 F4.2 J26.4
P_P8_5V: C175.1 F5.2 J26.8
PCIE0_12V_LED: CR6.2(A) R349.2
PCIE0_L0_CLKREQ: J13.C48(PEX0_CLKREQ*) R6.1
PCIE0_L0_CLKREQ_R: D21.1(1C) J2.B12(RSVD<1>) R6.2
PCIE0_L0_RST: D19.1(1C) J2.A11(PERST*) J13.C49(PEX0_RST*)
PCIE0_PRSNT_L: J2.B17(PRSNT2X1*) J2.B31(PRSNT2X4*) R7.2
PCIE_JTAG_TRST_PD: J2.B9(TRST*) R3.1
PCIE_L1_CLKREQ: J13.C47(PEX1_CLKREQ*) J18.53(CLKREQO*) R144.2
PCIE_L1_RST: J13.E50(PEX1_RST*) J18.52(PERST0*) R525.2
PCIE_WAKE_L: D20.1(1C) J2.B11(WAKE*) J13.D48(PEX_WAKE*) J18.55(PEWAKEO*)
PEX2_CKREQ_L: J13.C46(PEX2_CLKREQ*) TP16.1
PEX2_REFCLK_N: J13.A42(PEX2_REFCLK*) TP17.1
PEX2_REFCLK_P: J13.A41(PEX2_REFCLK) TP18.1
PEX2_RST_L: J13.D49(PEX2_RST*) TP10.1
PEX_CLK0_N: J2.A14(REFCLKN*) J13.A45(PEX0_REFCLK*)
PEX_CLK0_P: J2.A13(REFCLKP) J13.A44(PEX0_REFCLK)
PEX_CLK1_N: J13.B46(PEX1_REFCLK*) J18.49(REFCLKNO)
PEX_CLK1_P: J13.B45(PEX1_REFCLK) J18.47(REFCLKPO)
PEX_RX0_AP_N: J13.H42(PEX1_RX*) J18.43(PERNO)
PEX_RX0_AP_P: J13.H41(PEX1_RX) J18.41(PERPO)
PEX_RX1_N: J2.A30(PERN3*) J13.G40(PEX_RFU_RX*)
PEX_RX1_P: J2.A29(PERP3) J13.G39(PEX_RFU_RX)
PEX_RX2_N: J2.A26(PERN2*) J13.F41(PEX2_RX*)
PEX_RX2_P: J2.A25(PERP2) J13.F40(PEX2_RX)
PEX_RX3_N: J2.A22(PERN1*) J13.G43(USB_SS1_RX*)
PEX_RX3_P: J2.A21(PERP1) J13.G42(USB_SS1_RX)
PEX_RX4_N: J2.A17(PERN0*) J13.H45(PEX0_RX*)
PEX_RX4_P: J2.A16(PERP0) J13.H44(PEX0_RX)
PEX_TX0_AP_N: C79.2 J13.E42(PEX1_TX*)
PEX_TX0_AP_P: C80.2 J13.E41(PEX1_TX)
PEX_TX0_C_N: C79.1 J18.37(PETNO)
PEX_TX0_C_P: C80.1 J18.35(PETPO)
PEX_TX1_C_N: C22.2 J2.B28(PETN3*)
PEX_TX1_C_P: C23.2 J2.B27(PETP3)
PEX_TX1_N: C22.1 J13.D40(PEX_RFU_TX*)
PEX_TX1_P: C23.1 J13.D39(PEX_RFU_TX)
PEX_TX2_C_N: C20.2 J2.B24(PETN2*)
PEX_TX2_C_P: C21.2 J2.B23(PETP2)
PEX_TX2_N: C20.1 J13.C41(PEX2_TX*)
PEX_TX2_P: C21.1 J13.C40(PEX2_TX)
PEX_TX3_C_N: C18.2 J2.B20(PETN1*)
PEX_TX3_C_P: C19.2 J2.B19(PETP1)
PEX_TX3_N: C18.1 J13.D43(USB_SS1_TX*)
PEX_TX3_P: C19.1 J13.D42(USB_SS1_TX)
PEX_TX4_C_N: C16.2 J2.B15(PETN0*)
PEX_TX4_C_P: C17.2 J2.B14(PETP0)
PEX_TX4_N: C16.1 J13.E45(PEX0_TX*)
PEX_TX4_P: C17.1 J13.E44(PEX0_TX)
PM_BUS_SEL: J10.50 R310.1
PM_BUS_SEL_G: Q36.1(G) R310.2
PM_VCC: J10.48 R305.1
PMGND: C111.2 C112.1 C116.1 C123.2 C129.1 C130.2 R185.2 R191.1 R195.2 R211.2 U18.3(GND)
PMGND3: C83.2 C84.2 C87.2 C91.1 C94.1 C95.1 R141.2 R147.1 R151.2 R163.2 U10.3(GND)
POWER_BTN: J13.B50(POWER_BTN*) R86.2
POWER_BTN_R: C50.1 D6.1(1C) J6.1 J10.46 R86.1 S4.1 S4.4
PS_VDD_FAN_DISABLE: R109.1 U29.8(P04)
PS_VDD_FAN_DISABLE_R: Q17.3(G) R109.2 R112.2 R113.1
PWR_I2C_SCL_D: J10.25 R269.2
PWR_I2C_SDA_D: J10.23 R268.2
Q34_GATE: C501.2 Q30.4(G) R501.2
RESET_IN_L: J13.A47(RESET_IN*) R14.2
RESET_IN_R_L: C29.1 D2.1(1C) J3.1 J10.17 J10.44 R14.1 R20.1 R97.2 S1.1 S1.4
RESET_OUT_ARM_R_L: R26.1 R28.2 U2.1(A)
RESET_OUT_L: D16.1(C) J8.1 J13.A46(RESET_OUT*) R28.1 R304.2 R322.1
RESET_OUT_R_L: R17.2 U2.6(Y)
RJ45_RDN: L3.2 R24.1 T1.19(MX2N)
RJ45_RDN1: L5.2 R35.1 T1.13(MX4N)
RJ45_RDN1_F: J5.8 L5.3 R35.2
RJ45_RDN_F: J5.6 L3.3 R24.2
RJ45_RDP: L3.1 R23.1 T1.20(MX2P)
RJ45_RDP1: L5.1 R31.1 T1.14(MX4P)
RJ45_RDP1_F: J5.7 L5.4 R31.2
RJ45_RDP_F: J5.3 L3.4 R23.2
RJ45_TDN: L1.2 R21.1 T1.22(MX1N)
RJ45_TDN1: L4.2 R30.1 T1.16(MX3N)
RJ45_TDN1_F: J5.5 L4.3 R30.2
RJ45_TDN_F: J5.2 L1.3 R21.2
RJ45_TDP: L1.1 R18.1 T1.23(MX1P)
RJ45_TDP1: L4.1 R25.1 T1.17(MX3P)
RJ45_TDP1_F: J5.4 L4.4 R25.2
RJ45_TDP_F: J5.1 L1.4 R18.2
RJ_CAP: C27.1 R597.2 R598.2 R599.2 R600.2
RJ_LED1: C25.1 J5.9 R10.2
RJ_LED2: C39.1 J5.11 R44.2
RSVD1: J13.A5(RSVD_1) TP21.1
RSVD2: J13.B5(RSVD_2) TP22.1
RSVD3: J13.B48(RSVD_3) TP15.1
RSVD4: J13.B49(RSVD_4) TP13.1
RSVD5: J13.C5(RSVD_5) TP23.1
RSVD7: J13.C50(RSVD_7) TP12.1
RSVD8: J13.D1(RSVD_8) TP25.1
RSVD9: J13.D2(RSVD_9) TP24.1
RSVD10: J13.D3(RSVD_10) TP26.1
RSVD11: J13.D4(RSVD_11) TP27.1
RSVD14: J13.D50(RSVD_14) TP11.1
RSVD_DVDD_CAM_LV: J22.55 J22.56 J22.57 J22.58 TP31.1
RXD_HDR_1V8: R81.1 R82.1 U6.6(B2)
SAR_CTRL: R142.2 R585.1
SAR_TOUT: J13.H13(GPIO8_ALS_PROX_INT) Q27.2(S) R143.2 R257.2
SAR_TOUT_LVL: J21.37(1) Q27.3(D) R261.2
SATA_DEV_SLP: J13.D47(SATA_DEV_SLP) R314.2 U1.2(A)
SATA_DEV_SLP_3V3: J1.10(3V3_3) R315.2 U1.4(Y)
SATA_RX_C_N: C7.2 J1.5(B*)
SATA_RX_C_P: C8.2 J1.6(B)
SATA_RX_N: C7.1 J13.G46(SATA_RX*)
SATA_RX_P: C8.1 J13.G45(SATA_RX)
SATA_TX_C_N: C6.2 J1.3(A*)
SATA_TX_C_P: C5.2 J1.2(A)
SATA_TX_N: C6.1 J13.D46(SATA_TX*)
SATA_TX_P: C5.1 J13.D45(SATA_TX)
SD_CARD_SW_PWR: C533.1 C534.1 J12.4(VDD) U503.1(OUT)
SDCARD_CD_L: D504.4(3A) D504.7(3B) J12.10(C_DETECT) J13.F17(SDCARD_CD*)
SDCARD_CLK_POL: J13.G18(SDCARD_CLK) R593.1
SDCARD_CLK_R: C532.1 D505.5(4A) D505.6(4B) J12.5(CLK) R593.2
SDCARD_CMD_POL: J13.G19(SDCARD_CMD) R594.1
